# Altium PCB F21-MAIN-CTM - BOM.PcbDoc
Units mm, origin at the board's own origin, x right, y up, seen from the top; angles counter-clockwise.
Board outline 152.4 x 101.6 mm, 4 copper layers (Top Layer, Mid-Layer 3, Mid-Layer 5, Bottom Layer); 101 components, 89 nets, 316 pads, 233 vias.
Unrouted connection lines stored in the file: 1.
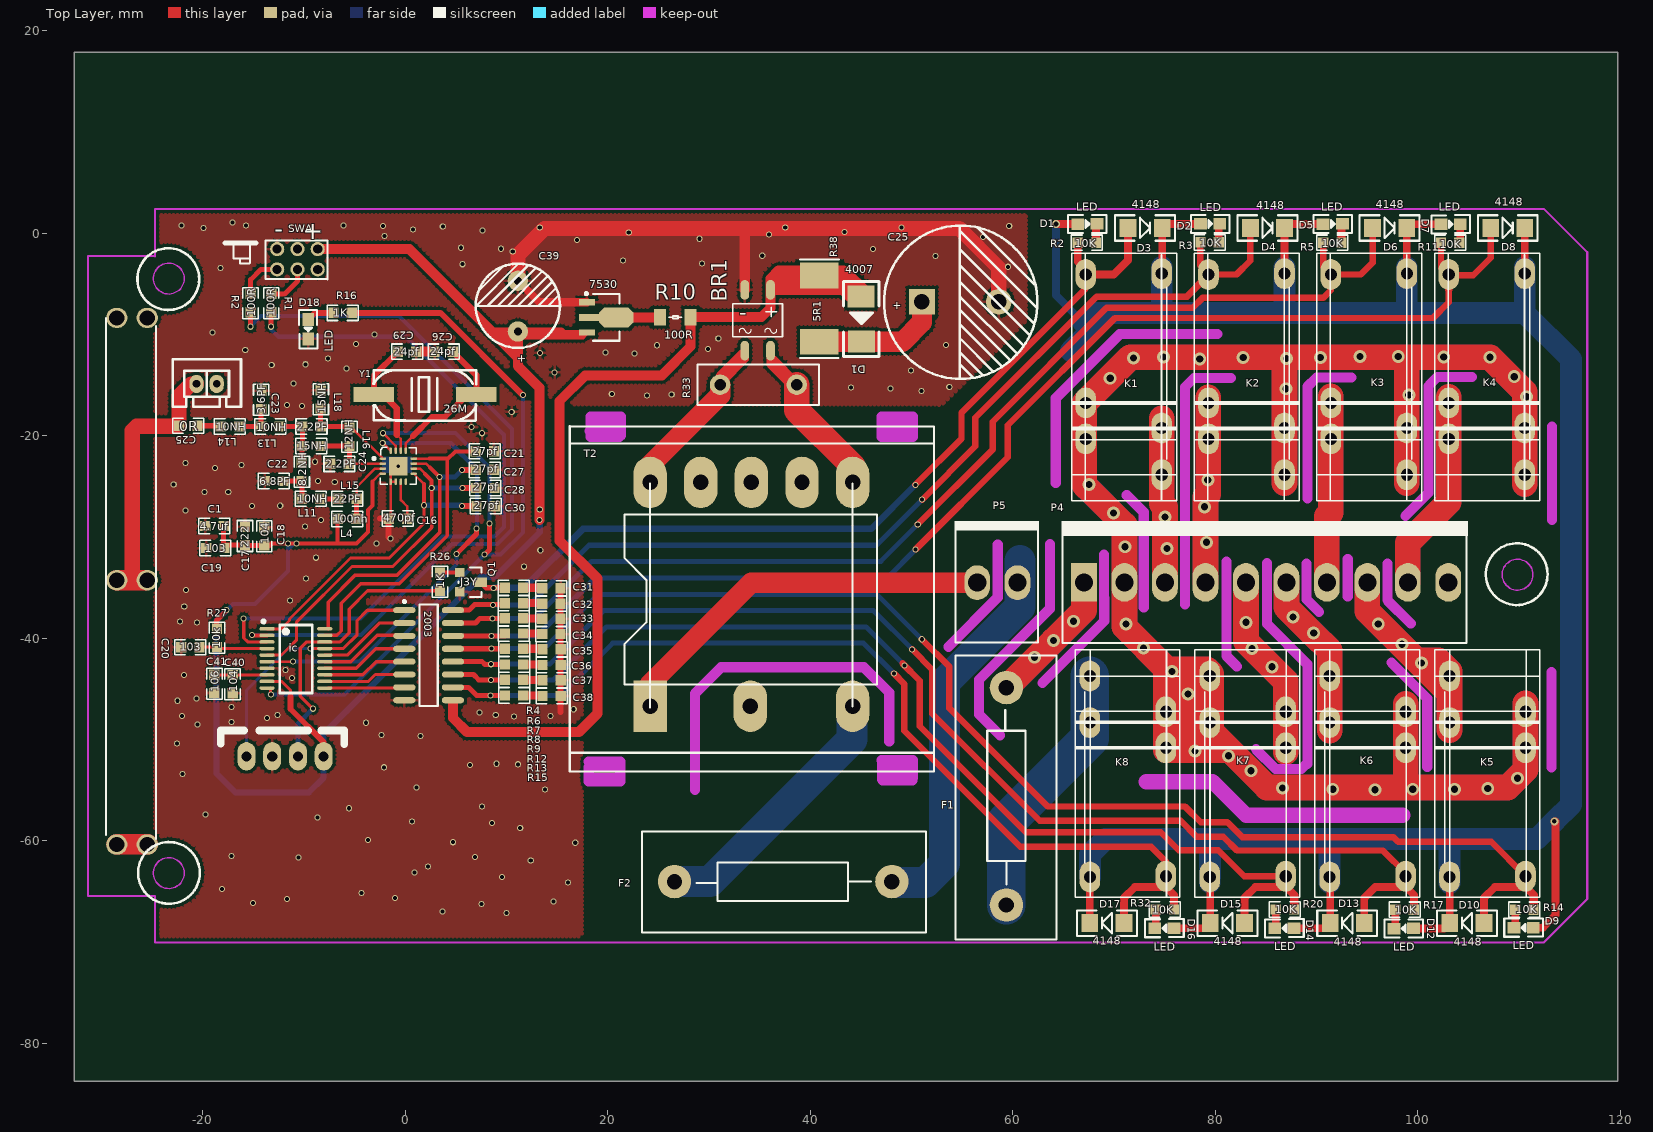
[diagram p0: Top Layer view]
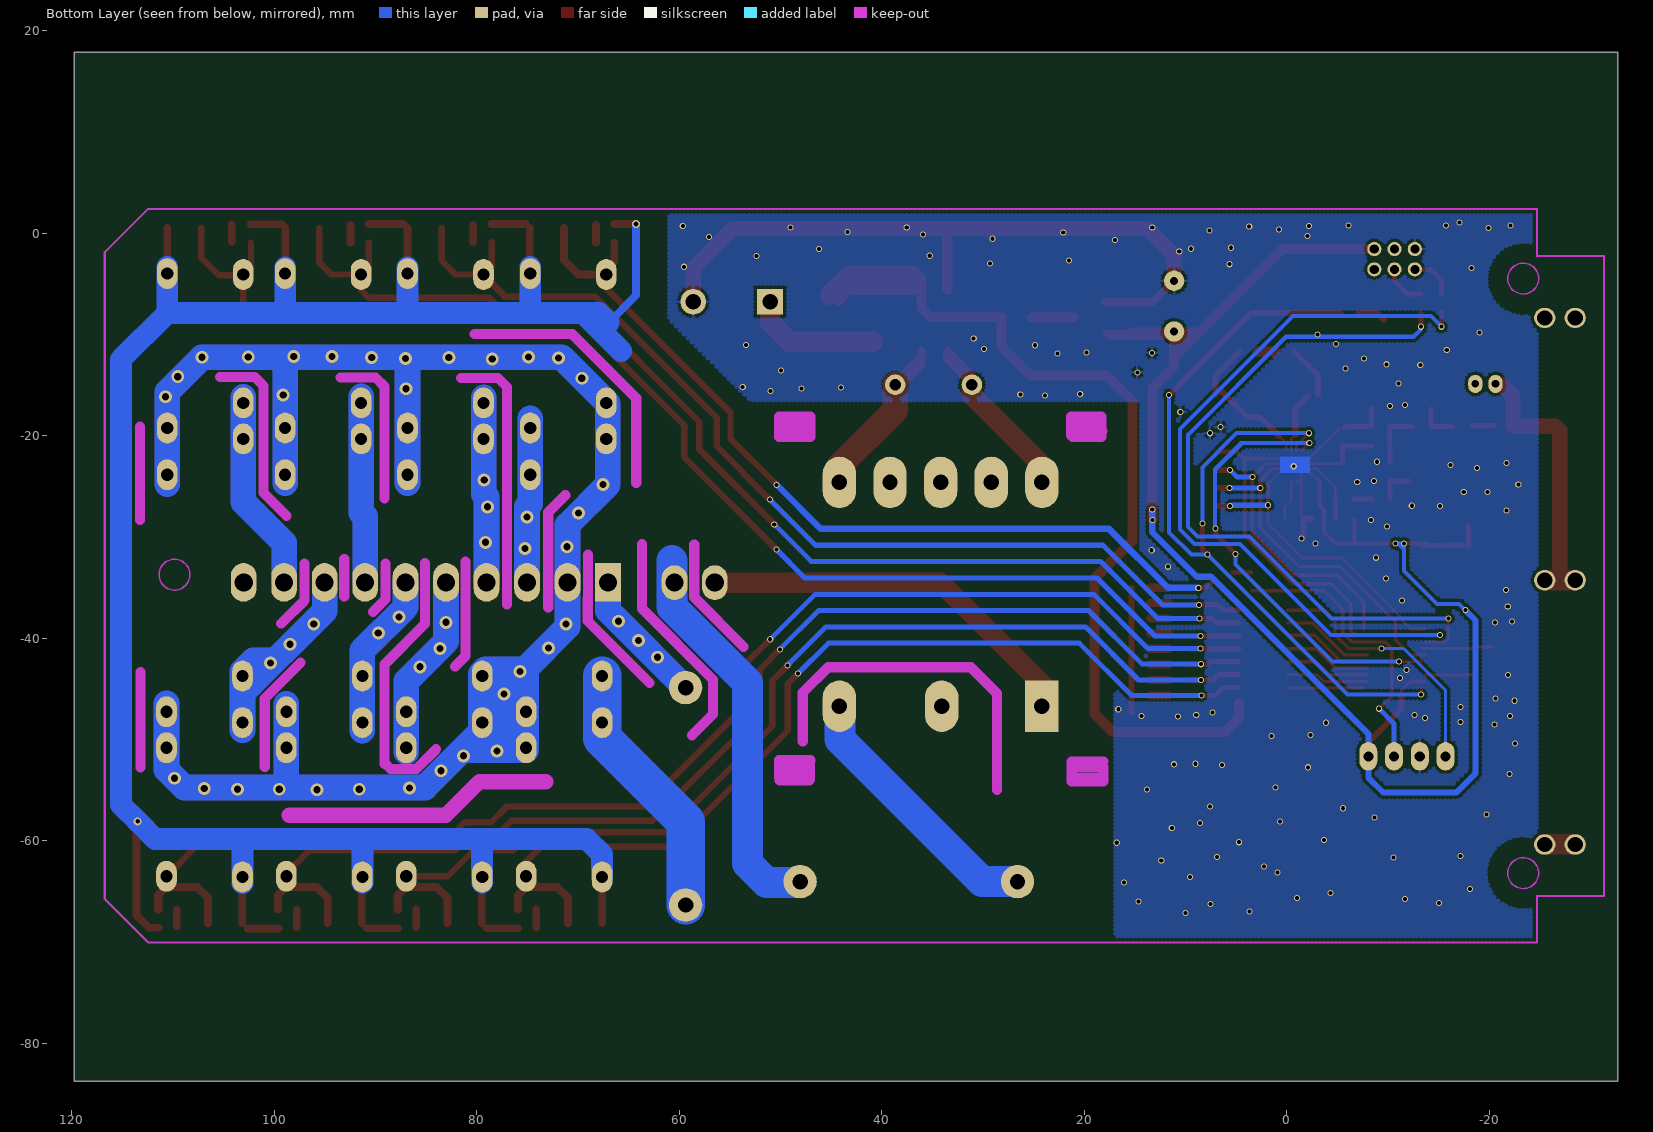
[diagram p1: Bottom Layer view, seen from below]

## Layer stack, top to bottom
Top Layer: signal copper 0.0356
Dielectric: dielectric 0.32, FR-4, Dk 4.8
Mid-Layer 3: signal copper 0.0356
Dielectric: dielectric 0.32, FR-4, Dk 4.8
Mid-Layer 5: signal copper 0.0356
Dielectric: dielectric 0.32, FR-4, Dk 4.8
Bottom Layer: signal copper 0.0356

## Board outline
-32.677,-83.723 119.723,-83.723 119.723,17.877 -32.677,17.877

## Design rules (kind name [scope] priority, off if disabled: settings)
Clearance [All] p1: gap=0.3
PolygonConnect [All] p1: connectstyle=Relief reliefconductorwidth=0.254 reliefentries=4 polygonreliefangle="90 Angle"
RoutingVias [All] p1: holewidth=0.457 width=0.762 viastyle="Through Hole" minholewidth=0.457 minwidth=0.762 maxholewidth=0.711 maxwidth=1.27
SilkscreenOverComponentPads [All] p1: minsilkscreentomaskgap=0.254
SolderMaskExpansion [All] p1: expansion=0.102
Width [All] p1: maxlimit=25.4 minlimit=0.229 preferedwidth=0.381
27 further rules are at their usual default settings.

## Classes and differential pairs
component class 接收板8继电器: C50 D1 D2 D3 D4 D5 D6 D7 D8 D9 D10 D12 D13 D14 D15 D16 D17 F1 F2 IC1 IC2 IC3 K1 K2 K3 K4 K5 K6 K7 K8 P4 P5 R2 R3 R5 R11 R14 R17 R20 R32

## Components (designator, comment, footprint, x,y, rotation, side; value= is the part's Value field where it differs from the comment)
2003 "DIP16" 2003 2.311,-41.656 r270 top (schematic designator 2)
BR1 "MB6S" SOIC4-MB6S 34.798,-8.585 r270 top
C1 "Inductor" SMD-R1#1 -17.932,-28.905 r180 top (schematic designator L6)
C16 "Inductor" SMD-R1#1 0.178,-28.169 r180 top (schematic designator L6)
C17 "Inductor" SMD-R1#1 -15.824,-28.981 r270 top (schematic designator L6)
C18 "Inductor" SMD-R1#1 -13.919,-29.007 r270 top (schematic designator L6)
C19 "Inductor" SMD-R1#1 -17.844,-31.077 r180 top (schematic designator L6)
C20 "Inductor" SMD-R1#2 -20.32,-40.869 r180 top (schematic designator L6)
C21 "Inductor" SMD-R1#1 8.763,-21.519 r180 top (schematic designator L6)
C22 "Inductor" SMD-R1#1 -12.065,-24.46 r180 top (schematic designator L6)
C23 "Inductor" SMD-R1#1 -14.224,-17.348 r90 top (schematic designator L6)
C24 "Inductor" SMD-R1#1 -5.588,-22.758 r180 top (schematic designator L6)
C25 "Cap Pol2" EE1 54.813,-6.756 r0 top
C25 "Inductor" SMD-R1#1 -22.327,-18.999 r0 top (schematic designator L6)
C26 "Inductor" SMD-R1#1 2.896,-11.684 r0 top (schematic designator L6)
C27 "Inductor" SMD-R1#1 8.763,-23.355 r180 top (schematic designator L6)
C28 "Inductor" SMD-R1#1 8.814,-25.151 r180 top (schematic designator L6)
C29 "Inductor" SMD-R1#1 -0.711,-11.684 r0 top (schematic designator L6)
C30 "Inductor" SMD-R1#1 8.839,-26.934 r180 top (schematic designator L6)
C31 "Res1" SMD-R1#1 15.34,-35.044 r180 top (schematic designator R1)
C32 "Res1" SMD-R1#1 15.34,-36.568 r180 top (schematic designator R1)
C33 "Res1" SMD-R1#1 15.34,-38.067 r180 top (schematic designator R1)
C34 "Res1" SMD-R1#1 15.34,-39.568 r180 top (schematic designator R1)
C35 "Res1" SMD-R1#1 15.366,-41.064 r180 top (schematic designator R1)
C36 "Res1" SMD-R1#1 15.366,-42.613 r180 top (schematic designator R1)
C37 "Res1" SMD-R1#1 15.366,-44.137 r180 top (schematic designator R1)
C38 "Res1" SMD-R1#1 15.366,-45.687 r180 top (schematic designator R1)
C39 "Cap Pol2" EE8.5-5.0 11.125,-7.188 r90 top (schematic designator C26)
C40 "Inductor" SMD-R1#1 -17.043,-45.415 r90 top (schematic designator L6)
C41 "Inductor" SMD-R1#1 -18.847,-45.39 r90 top (schematic designator L6)
D1 "LED0" SMD-D1 67.361,0.923 r0 top
D1 "Diode 1N4148" D2 45.034,-8.458 r270 top (schematic designator D21)
D2 "Diode 1N4148" SMD-D 73.051,0.529 r0 top
D3 "LED0" SMD-D1 79.474,0.936 r0 top
D4 "Diode 1N4148" SMD-D 85.142,0.529 r0 top
D5 "LED0" SMD-D1 91.592,0.923 r0 top
D6 "Diode 1N4148" SMD-D 97.207,0.529 r0 top
D7 "LED0" SMD-D1 103.226,0.897 r0 top
D8 "Diode 1N4148" SMD-D 108.865,0.529 r0 top
D9 "LED0" SMD-D1 110.426,-68.559 r180 top
D10 "Diode 1N4148" SMD-D 104.825,-68.102 r180 top
D12 "LED0" SMD-D1 98.603,-68.64 r180 top
D13 "Diode 1N4148" SMD-D 93.014,-68.102 r180 top
D14 "LED0" SMD-D1 86.817,-68.615 r180 top
D15 "Diode 1N4148" SMD-D 81.177,-68.102 r180 top
D16 "LED0" SMD-D1 74.968,-68.61 r180 top
D17 "Diode 1N4148" SMD-D 69.278,-68.102 r180 top
D18 "LED0" SMD-D1 -9.576,-9.474 r270 top (schematic designator D16)
F1 "Fuse 1" FU 59.815,-56.02 r90 top
F2 "AC 2A" FU 37.749,-63.568 r180 top
K1 "Relay-SPST" KK 74.701,-3.977 r180 top
K2 "Relay-SPST" KKK 86.819,-3.977 r180 top
K3 "Relay-SPST" KKK 98.905,-3.977 r180 top
K4 "Relay-SPST" KKK 110.547,-3.977 r180 top
K5 "Relay-SPST" KK 103.118,-63.561 r0 top
K6 "Relay-SPST" KK 91.278,-63.561 r0 top
K7 "Relay-SPST" KKK 79.439,-63.561 r0 top
K8 "Relay-SPST" KKK 67.6,-63.561 r0 top
L4 "Inductor" SMD-R1#1 -4.826,-28.194 r180 top (schematic designator L6)
L6 "Inductor" SMD-R1#1 -10.16,-19.075 r0 top
L6 "Inductor" SMD-R1#1 -10.185,-21.006 r0 top
L6 "Inductor" SMD-R1#1 -10.211,-24.46 r90 top
L11 "Inductor" SMD-R1#1 -8.407,-26.213 r180 top (schematic designator L6)
L13 "Inductor" SMD-R1#1 -14.224,-19.075 r0 top (schematic designator L6)
L14 "Inductor" SMD-R1#1 -18.212,-19.075 r0 top (schematic designator L6)
L15 "Inductor" SMD-R1#1 -4.801,-26.213 r180 top (schematic designator L6)
L16 "Inductor" SMD-R1#1 -5.512,-21.006 r90 top (schematic designator L6)
L18 "Inductor" SMD-R1#1 -8.331,-17.297 r90 top (schematic designator L6)
P1 "Header 2" CN02 -19.616,-14.864 r0 top
P4 "Header 10" CN10 85.01,-34.468 r0 top
P5 "Header 2" CH022 58.467,-34.457 r0 top
Q1 "2N3904" SOT-23 6.401,-34.442 r270 top
R1 "Inductor" SMD-R1#1 -13.233,-7.798 r90 top (schematic designator L6)
R2 "Res1" SMD-R1#1 68.218,-0.919 r180 top
R2 "Inductor" SMD-R1#1 -15.265,-7.798 r90 top (schematic designator L6)
R3 "Res1" SMD-R1#1 80.332,-0.891 r180 top
R4 "Res1" SMD-R1#1 11.626,-34.996 r180 top (schematic designator R1)
R5 "Res1" SMD-R1#1 92.45,-0.919 r180 top
R6 "Res1" SMD-R1#1 11.626,-36.52 r180 top (schematic designator R1)
R7 "Res1" SMD-R1#1 11.626,-38.019 r180 top (schematic designator R1)
R8 "Res1" SMD-R1#1 11.626,-39.52 r180 top (schematic designator R1)
R9 "Res1" SMD-R1#1 11.652,-41.016 r180 top (schematic designator R1)
R10 "300R" R1206 26.67,-8.291 r0 top
R11 "Res1" SMD-R1#1 104.083,-0.919 r180 top
R12 "Res1" SMD-R1#1 11.652,-42.565 r180 top (schematic designator R1)
R13 "Res1" SMD-R1#1 11.652,-44.089 r180 top (schematic designator R1)
R14 "Res1" SMD-R1#1 109.607,-66.781 r0 top
R15 "Res1" SMD-R1#1 11.652,-45.639 r180 top (schematic designator R1)
R16 "Inductor" SMD-R1#1 -5.283,-7.849 r180 top (schematic designator L6)
R17 "Res1" SMD-R1#1 97.771,-66.781 r0 top
R20 "Res1" SMD-R1#1 85.96,-66.755 r0 top
R26 "Inductor" SMD-R1#1 3.442,-33.49 r270 top (schematic designator L6)
R27 "Inductor" SMD-R1#1 -18.593,-39.038 r270 top (schematic designator L6)
R32 "Res1" SMD-R1#1 74.098,-66.755 r0 top
R33 "Res Varistor" RV 34.874,-14.935 r180 top
R38 "5R1" SMD-RR 40.894,-7.442 r90 top
T2 "T 12V" T01 34.176,-24.693 r0 top locked (schematic designator T1)
Y1 "12MHZ" 晶振贴片 7.01,-15.9 r90 top
烧? "Header 5" XH-5A -10.592,-51.638 r180 top
? "Comment" LC-TSSOP-24 -10.795,-42.621 r270 top
? "Comment" SOT89M 19.837,-8.306 r0 top

## Footprints (in the part's own frame and the unit in brackets; to place one, negate y for a bottom-side part, rotate by r counter-clockwise, add the part's x,y. Pads: shape width x height; smd on the part's side, far side on the other; paste and mask are expansions set on the pad)
2003 [mm]
  oval 0.6x2.2 smd: 1(-4.445,-2.4) 2(-3.175,-2.4) 3(-1.905,-2.4) 4(-0.635,-2.4) 5(0.635,-2.4) 6(1.905,-2.4) 7(3.175,-2.4) 8(4.445,-2.4) 9(4.445,2.4) 10(3.175,2.4) 11(1.905,2.4) 12(0.635,2.4) 13(-0.635,2.4) 14(-1.905,2.4) 15(-3.175,2.4) 16(-4.445,2.4)
  silkscreen extent -5.42,-2.52 5,0.9
CH022 [mm]
  oval 2.54x3.429 hole 1.8: 1(-1.99,-0.032) 2(1.99,-0.032)
  silkscreen extent -4.22,-5.96 4.13,6.07
CN02 [mm]
  oval 1.4x1.8 hole 0.762: 1(-1,0) 2(1,0)
  silkscreen extent -3.33,-2.27 3.4,2.44
CN10 [mm]
  rect 2.54x3.81 hole 1.8: 1(-17.992,0)
  oval 2.54x3.81 hole 1.8: 2(-13.994,0) 3(-9.995,0) 4(-5.997,0) 5(-1.999,0) 6(1.999,0) 7(5.997,0) 8(9.995,0) 9(13.994,0) 10(17.992,0)
  silkscreen extent -20.21,-6 19.94,6.07
D2 [mil]
  rect 85x105 smd: 1(-87.29,-0.42) 2(87.29,0.42)
  silkscreen extent -145,-69 145,69
EE1 [mil]
  rect 100x100 hole 60: 1(-149.38,0)
  round 100 hole 60: 2(149.38,0)
  silkscreen extent -296,-300 300,296
EE8.5-5.0 [mil]
  round 79 hole 31: 1(-98.5,0) 2(98.5,0)
  silkscreen extent -162,-164 165,164
FU [mil]
  round 130 hole 60: 1(-405.67,17.67) 2(439.33,17.67)
  silkscreen extent -539,-177 565,216
KK [mil]
  oval 80x120 hole 47.24: 1(0,781.67) 1(0,600.42) 2(295.42,502.5) 2(295.42,642.5) 3(0,0) 4(295.42,3.33)
  silkscreen extent -58,-79 350,884
KKK [mil]
  oval 80x120 hole 47.24: 1(295.42,502.5) 1(295.42,642.5) 2(0,781.67) 2(0,600.42) 3(0,0) 4(295.42,3.33)
  silkscreen extent -58,-79 350,884
LC-TSSOP-24 [mm]
  oval 0.35x1.5 smd: 5(-0.975,-2.85) 6(-0.325,-2.85) 7(0.325,-2.85) 10(2.275,-2.85) 11(2.275,2.85) 12(1.625,2.85) 13(0.975,2.85) 14(0.325,2.85) 15(-0.325,2.85) 16(-0.975,2.85) 17(-1.625,2.85) 18(-2.275,2.85) 19(-2.925,2.85) 20(-3.575,2.85) NRST(-1.625,-2.85) RXD(-2.275,-2.85) SCLK(-3.575,-2.85) TXD(-2.925,-2.85) vcap(0.975,-2.85) vdd(1.625,-2.85)
  silkscreen extent -4.45,-3.35 2.76,1.6
R1206 [mm]
  rect 1.2x1.65 smd: 1(-1.5,0) 2(1.5,0)
  silkscreen extent -0.64,-0.13 0.64,0.13
RV [mil]
  round 80 hole 45: 1(-149.17,0.42) 2(149.17,0.42)
  silkscreen extent -236,-79 236,79
SMD-D [mil]
  rect 65x70 smd: 1(-66.46,0) 2(66.46,0)
  silkscreen extent -116,-50 116,50
SMD-D1 [mil]
  rect 50x45 smd: 1(-37.5,-0.21) 2(37.5,0.21)
  silkscreen extent -75,-35 75,35
SMD-R1#1 [mil]
  rect 40x40 smd: 1(0,0) 2(71.25,0)
  silkscreen extent -25,-30 96,30
SMD-R1#2 [mil]
  rect 40x40 smd: 1(0,0) ""(71.25,0)
  silkscreen extent -25,-30 96,30
SMD-RR [mm]
  rect 2.54x3.81 smd: 1(-3.27,0.016) 2(3.27,0.016)
  silkscreen extent -4.88,-1.92 4.86,1.93
SOIC4-MB6S [mm]
  oval 1.95x0.85 smd: +(-3,1.27) -(-3,-1.27) L(3,1.27) N(3,-1.27)
  silkscreen extent -1.62,-2.45 1.63,2.45
SOT89M [mm] "SOT89, 3-Leads, Body 4.5x2.4 mm, Pitch 1.5mm, Lead Span 4.1mm, IPC Low Density"
  rect 1.6x0.6 smd: 1(-1.9,1.5) 3(-1.9,-1.5)
  rect 2x0.7 smd: 2(-1.7,0)
  oct 3.4x2 smd: 2(1,0)
  silkscreen extent -2.07,-2.3 1.3,2.47, body extent -1.3,-2.3 1.3,2.3, height 1.6
SOT-23 [mil]
  rect 36x36 smd: 1(37.5,-40) 2(-37.5,-40)
  rect 36x50 smd: 3(0.5,40)
  silkscreen extent -57,-45 58,45
T01 [mil]
  oval 130x200 hole 60: 0(-196.85,3.95) 0(-3.94,-866.14) 0(0,3.95) 0(196.85,3.95) 2(393.7,-866.14) 3(-393.7,3.95) 4(393.7,3.95)
  rect 130x200 hole 60: 1(-393.7,-866.14)
  Keep-Out Layer lines w40: -632.02,-1080.83 -509.5,-1080.83 -509.5,-1157.83 -632.02,-1157.83 -632.02,-1102.98 -530.5,-1102.98 ; -628.25,204.17 -509.5,204.17 ; -625.5,260.17 -625.5,181.17 -512.5,181.17 -506.5,187.17 -506.5,259.33 -625.25,259.33 ; -615.33,239.17 -519.5,239.17 ; 506.5,260.33 506.5,181.17 625.25,181.17 ; 506.75,-1075.83 625.5,-1075.83 ; 508.21,-1075.83 508.21,-1151.32 510.72,-1153.83 626.5,-1153.83 ; 509.75,259.17 628.5,259.17 628.5,181.42 ; 510,240.17 605.83,240.17 ; 511.67,213.17 607.5,213.17 ; 513.93,257.17 608.93,257.17 ; 518.21,-1143.83 626.96,-1143.83 626.96,-1075.83 ; 527.5,-1102.83 611.96,-1102.83
  silkscreen extent -706,-1119 709,223
XH-5A [mil]
  oval 70x110 hole 39: 2(100,0) 3V3(-100,0) SWCLK(0,0) SWDIO(200,0)
  silkscreen extent -180,-100 300,-47
晶振贴片 [mm]
  rect 1.5x4 smd: 1(-0.007,-0.007) 2(-0.007,10.105)
  silkscreen extent -2.6,-0.01 2.4,10.16

## Free pads (board coordinates)
  round 1.4 hole 0.9: 0(-12.643,-1.556) 1(-10.643,-1.556) 2(-8.643,-1.556) 5(-8.643,-3.556) RXD(-10.643,-3.556) TXD(-12.643,-3.556)
  oval 0.65x0.25 smd: 1(-2.211,-22.237) 2(-2.211,-22.737) 3(-2.211,-23.237) 4(-2.211,-23.737) CSB(0.839,-22.737) FCSB(0.839,-22.237) SCLK(0.839,-23.737) SDIO(0.839,-23.237)
  oval 0.25x0.65 smd: 5(-1.436,-24.512) 6(-0.936,-24.512) 7(-0.436,-24.512) 8(0.064,-24.512) 13(0.064,-21.462) 14(-0.436,-21.462) GPIO0(-0.936,-21.462) GPIO1(-1.436,-21.462)
  rect 1.8x1.8 smd: 17(-0.686,-22.987)
  oval 2.1x2 hole 1.5: 284(-28.476,-34.25) 285(-25.476,-34.25) 286(-25.476,-60.35) 287(-28.476,-60.35) 288(-28.476,-8.35) 289(-25.476,-8.35)

## Via types
v1: diameter 0.6, hole 0.4, Top Layer to Bottom Layer, 182 vias
v2: diameter 1.27, hole 0.711, Top Layer to Bottom Layer, 48 vias
v3: diameter 0.762, hole 0.457, Top Layer to Bottom Layer, 2 vias
v4: diameter 0.66, hole 0.33, Top Layer to Bottom Layer, tented top, 1 vias

## Nets (pads, with @x,y where several pads share a name; then routed paths per layer and width w, separated by ;. In a path a pad name is that pad's centre, name@x,y a point inside that pad or via, vN(x,y) a via of type N, cw(c..) or ccw(c..) an arc to the next point about the centre after c; other vN are vias at no path point)
GND: 2003.8 ?.1 ?.7 BR1.- C1.2 C16.2 C17.1 C18.1 C19.2 C20. C21.1 C22.2 C23.2 C24.2 C25.2@58.607,-6.756 C26.1 C27.1 C28.1 C29.2 C30.1 C31.1 C32.1 C33.1 C34.1 C35.1 C36.1 C37.1 C38.1 C39.2 C40.1 C41.1 D18.2 L18.2 pad.0 pad.17 Q1.1 烧?.2 | length 86.4
  Top Layer w0.6: -2.486,-28.169 C16.2 v1@-1.632,-30.004 ; 15.34,-47.245 15.34,-44.137 C34.1 C33.1 C32.1 C31.1
  Top Layer w0.8: C39.2 13.245,-6.806 ?.1
  Top Layer w1: C29.2 C26.1 ; BR1.- 33.528,0.356
  Top Layer w1.5: C39.2 11.125,-2.134 13.741,0.483 29.058,0.483 43.358,0.483 54.712,0.483 58.607,-3.413 C25.2@58.607,-6.756
  other v1: 9.982,-67.107 3.683,-66.98 7.544,-66.218 -15.011,-66.142 14.656,-65.989 -11.659,-65.735 -0.991,-65.634 -4.318,-65.126 -18.11,-64.745 16.078,-64.084 9.576,-63.551 0.914,-63.094 2.261,-62.509 12.395,-61.923 -10.541,-61.62 6.883,-61.57 -17.145,-61.468 16.789,-60.173 4.723,-60.122 -3.683,-59.923 11.354,-58.723 8.585,-58.242 0.66,-58.09 -8.643,-57.683 -19.736,-57.379 -5.537,-56.769 7.569,-56.591 13.8,-54.915 1.118,-54.723 -21.996,-53.365 -2.083,-52.723 6.375,-52.476 11.125,-52.426 8.992,-52.375 -22.555,-50.368 1.499,-49.632 -2.362,-49.523 -20.498,-48.489 -3.886,-48.323 -17.17,-48.26 -13.665,-47.854 10.744,-47.727 -22.022,-47.676 14.351,-47.65 -12.624,-47.549 8.941,-47.549 7.315,-47.295 16.637,-46.99 -17.17,-46.787 -22.477,-46.152 -20.599,-45.923 -11.176,-43.923 -21.844,-43.612 -11.836,-43.123 -20.549,-38.43 -22.225,-38.329 -21.819,-36.83 -11.379,-36.246 -21.641,-35.204 -9.779,-34.061 11.728,-32.918 -8.814,-32.029 13.335,-31.293 -2.845,-30.632 -1.448,-30.124 -9.881,-28.931 -8.306,-28.321 -21.717,-27.381 -15.113,-26.934 -12.344,-26.899 -19.837,-25.552 -17.475,-25.552 -22.86,-24.816 -6.96,-24.536 -8.611,-24.46 -18.796,-23.165 -16.18,-22.885 -21.677,-22.657 -8.89,-22.555 7.595,-19.736 6.528,-19.123 10.516,-17.623 -10.211,-17.043 -11.684,-16.967 23.876,-16.002 26.314,-15.923 20.396,-15.875 50.978,-15.57 47.904,-15.316 44.018,-15.215 53.721,-15.172 -11.049,-14.808 14.757,-13.723 49.923,-13.564 -5.791,-13.335 -13.183,-12.979 -9.83,-12.929 -7.645,-12.349 22.657,-11.862 13.31,-11.811 19.761,-11.786 -15.799,-11.506 29.896,-11.43 24.867,-11.049 53.416,-11.024 -4.877,-10.91 30.912,-10.389 -3.048,-9.982 -19.05,-9.806 -18.237,-3.429 59.512,-3.302 5.664,-3.048 29.312,-2.973 21.514,-2.692 52.375,-2.235 35.255,-2.21 10.617,-1.778 46.203,-1.556 9.474,-1.523 5.523,-1.422 16.942,-0.66 29.058,-0.533 57.048,-0.381 -2.032,-0.279 35.923,-0.102 22.073,0.076 43.358,0.127 7.645,0.279 0.787,0.381 -19.939,0.533 13.284,0.584 37.523,0.584 49.022,0.584 3.708,0.686 -2.21,0.737 59.639,0.737 -15.723,0.762 -22.077,0.787 -6.077,0.787 -17.069,1.067
Net1_2: 
Net1_3: 
Net1_4: 
Net1_7: 
Net1_10: 
Net1_13: 
Net1_14: 
Net1_15: 
Net1_16: 
Net1_17: 
Net1_18: 
Net1_19: 
Net2_1: 
Net2_2: 
Net2_3: 
Net2_4: 
Net2_5: 
Net2_6: 
Net2_7: 
Net2_10: D17.1 K8.4 R32.2 | length 49.4
  Top Layer w0.635: v1(48.255,-43.465) 49.289,-44.499 49.289,-49.128 60.717,-60.556 73.643,-60.556 75.104,-62.016 K8.4
  Top Layer w0.762: D17.1 70.967,-65.626 72.039,-64.554 K8.4@75.104,-64.554 ; K8.4 K8.4@75.104,-64.554 ; R32.2 75.908,-65.358 K8.4@75.104,-64.554
Net2_11: D15.1 K7.4 R20.2 | length 58.7
  Top Layer w0.635: v1@49.1,-42.469 50.815,-44.183 50.815,-48.671 61.282,-59.138 74.615,-59.138 76.393,-60.916 80.279,-60.916 82.84,-63.477 K7.4
  Top Layer w0.762: D15.1 82.865,-65.626 83.937,-64.554 87.002,-64.554 87.77,-65.321 R20.2
  other v1: 49.29,-42.658
Net2_12: D13.1 K6.4 R17.2 | length 70.3
  Top Layer w0.635: v1(50.055,-41.08) 52.053,-43.078 52.053,-47.422 62.647,-58.016 76.564,-58.016 78.141,-59.593 80.787,-59.593 82.131,-60.937 96.535,-60.937 98.782,-63.184 K6.4
  Top Layer w0.762: D13.1 94.702,-65.626 95.782,-64.546 98.83,-64.546 99.581,-65.296 R17.2
Net2_13: D10.1 K5.4 R14.2 | length 81.3
  Top Layer w0.635: v1(51.006,-40.078) 53.736,-42.807 53.736,-46.893 63.441,-56.598 76.998,-56.598 78.543,-58.143 81.189,-58.143 82.66,-59.614 97.572,-59.614 98.038,-60.079 107.224,-60.079 K5.4
  Top Layer w0.762: D10.1 106.513,-65.626 107.585,-64.554 110.65,-64.554 111.417,-65.321 R14.2
Net2_14: D8.1 K4.4 R11.2 | length 80.2
  Top Layer w0.635: v1(50.394,-31.217) 59.499,-22.111 59.499,-18.953 70.091,-8.361 101.479,-8.361 103.044,-6.797 103.044,-5.558 K4.4@103.044,-4.147 ; R11.2 102.273,-3.376 K4.4@103.044,-4.147 ; K4.4 K4.4@103.044,-4.147 ; D8.1 107.177,-2.415 105.446,-4.147 K4.4@103.044,-4.147
  Top Layer w0.762: K4.4@103.044,-5.558 K4.4